# Allegro board SG2042_EVB_V2_0.brd (continued)
## Design rules (mm) (continued)
net group DIMM3_D_0[4-7](X4): nets DDR3_DM0_N DDR3_DM0_P DDR3_DQ4 DDR3_DQ5 DDR3_DQ6 DDR3_DQ7
net group DIMM3_D_1[8-15]: nets DDR3_DQ8 DDR3_DQ9 DDR3_DQ10 DDR3_DQ11 DDR3_DQS1_N DDR3_DQS1_P
net group DIMM3_D_1[12-15](X4): nets DDR3_DM1_N DDR3_DM1_P DDR3_DQ12 DDR3_DQ13 DDR3_DQ14 DDR3_DQ15
net group DIMM3_D_2[16-23]: nets DDR3_DQ16 DDR3_DQ17 DDR3_DQ18 DDR3_DQ19 DDR3_DQS2_N DDR3_DQS2_P
net group DIMM3_D_2[20-23](X4): nets DDR3_DM2_N DDR3_DM2_P DDR3_DQ20 DDR3_DQ21 DDR3_DQ22 DDR3_DQ23
net group DIMM3_D_3[24-31]: nets DDR3_DQ24 DDR3_DQ25 DDR3_DQ26 DDR3_DQ27 DDR3_DQS3_N DDR3_DQS3_P
net group DIMM3_D_3[28-31](X4): nets DDR3_DM3_N DDR3_DM3_P DDR3_DQ28 DDR3_DQ29 DDR3_DQ30 DDR3_DQ31
net group DIMM3_D_4[32-39]: nets DDR3_DQ32 DDR3_DQ33 DDR3_DQ34 DDR3_DQ35 DDR3_DQS4_N DDR3_DQS4_P
net group DIMM3_D_4[36-39](X4): nets DDR3_DM4_N DDR3_DM4_P DDR3_DQ36 DDR3_DQ37 DDR3_DQ38 DDR3_DQ39
net group DIMM3_D_5[40-47]: nets DDR3_DQ40 DDR3_DQ41 DDR3_DQ42 DDR3_DQ43 DDR3_DQS5_N DDR3_DQS5_P
net group DIMM3_D_5[44-47](X4): nets DDR3_DM5_N DDR3_DM5_P DDR3_DQ44 DDR3_DQ45 DDR3_DQ46 DDR3_DQ47
net group DIMM3_D_6[48-55]: nets DDR3_DQ48 DDR3_DQ49 DDR3_DQ50 DDR3_DQ51 DDR3_DQS6_N DDR3_DQS6_P
net group DIMM3_D_6[52-55](X4): nets DDR3_DM6_N DDR3_DM6_P DDR3_DQ52 DDR3_DQ53 DDR3_DQ54 DDR3_DQ55
net group DIMM3_D_7[56-63]: nets DDR3_DQ56 DDR3_DQ57 DDR3_DQ58 DDR3_DQ59 DDR3_DQS7_N DDR3_DQS7_P
net group DIMM3_D_7[60-63](X4): nets DDR3_DM7_N DDR3_DM7_P DDR3_DQ60 DDR3_DQ61 DDR3_DQ62 DDR3_DQ63
net group DIMM3_D_ECC[0-7]: nets DDR3_ECC_DQ0 DDR3_ECC_DQ1 DDR3_ECC_DQ2 DDR3_ECC_DQ3 DDR3_ECC_DQS_N DDR3_ECC_DQS_P
net group DIMM3_D_ECC[4-7](X4): nets DDR3_ECC_DM_N DDR3_ECC_DM_P DDR3_ECC_DQ4 DDR3_ECC_DQ5 DDR3_ECC_DQ6 DDR3_ECC_DQ7
net group EMMC: nets EMMC_DS
net group SD: nets SDIO_PWR_EN SDIO_RST_X SDIO_WP
net group SPI: nets N2309953910 N2309953911 N2309953912 N2309953913 SPICSB SSP0_CLK SSP0_RXD SSP0_SFOUT SSP0_TXD
net group SSRX1_N: nets N22467386 SSRX1_N USB1_RX_N
net group SSRX1_P: nets N22467376 SSRX1_P USB1_RX_P
net group SSRX2_N: nets N22467346 SSRX2_N USB2_RX_N
net group SSRX2_P: nets N22467336 SSRX2_P USB2_RX_P
net group SSRX3_N: nets N22467306 SSRX3_N USB3_RX_N
net group SSRX3_P: nets N22467296 SSRX3_P USB3_RX_P
net group SSRX4_N: nets N22467259 SSRX4_N USB4_RX_N
net group SSRX4_P: nets N22467260 SSRX4_P USB4_RX_P
net group SSTX1_N: nets SSTX1_N USB1_TX_N USB1_TX_N_L
net group SSTX1_P: nets SSTX1_P USB1_TX_P USB1_TX_P_L
net group SSTX2_N: nets N22234325 SSTX2_N USB2_TX_N
net group SSTX2_P: nets N17150193 SSTX2_P USB2_TX_P
net group SSTX3_N: nets N17150149 SSTX3_N USB3_TX_N
net group SSTX3_P: nets N17150120 SSTX3_P USB3_TX_P
net group SSTX4_N: nets SSTX4_N USB4_TX_N USB4_TX_N_L
net group SSTX4_P: nets SSTX4_P USB4_TX_P USB4_TX_P_L

## Placement (name value [footprint] x y rotation side)
ATXPWR1  POWER_CON_24P  [CON-THD24-522X96-ATX-VF]  236.64 221.98 270 top
BT2000  BATTERY  [BAT-SMD1220]  21.23 50.01 90 top
C1  10uF/6.3V  [C0402]  183.95 159.21 270 top
C2  10uF/6.3V  [C0402]  183.95 157.12 270 top
C3  100nF_25V  [C0402]  183.95 155.42 90 top
C4  100nF_25V  [C0402]  183.95 153.34 270 top
C5  100uF/6.3V  [C1210]  194.34 211.15 0 top
C6  100uF/6.3V  [C1210]  185.93 236.04 90 top
C7  10uF/6.3V  [C0402]  183.95 235.51 90 top
C8  10uF/6.3V  [C0402]  183.95 232.97 90 top
C9  10uF/6.3V  [C0402]  183.95 227.89 90 top
C10  10uF/6.3V  [C0402]  183.95 224.43 90 top
C11  10uF/6.3V  [C0402]  183.95 211.1 270 top
C12  100nF_25V  [C0402]  183.95 207.49 270 top
C13  100nF_25V  [C0402]  183.95 203.84 270 top
C14  100uF/6.3V  [C1210]  189.79 216.23 270 top
C15  100uF/6.3V  [C1210]  192.86 216.23 270 top
C16  47uF_6.3V  [C0603]  184.12 220.19 90 top
C17  47uF_6.3V  [C0603]  184.12 217.37 270 top
C19  22uF_25V  [C0805]  185.27 283.59 270 top
C20  100nF_25V  [C0402]  183.95 283.74 270 top
C21  10uF/6.3V  [C0402]  174.7 159.21 270 top
C22  10uF/6.3V  [C0402]  174.7 157.12 270 top
C23  100nF_25V  [C0402]  174.7 155.42 90 top
C24  100nF_25V  [C0402]  174.7 153.34 270 top
C25  100uF/6.3V  [C1210]  185.93 206.88 90 top
C26  100uF/6.3V  [C1210]  185.93 227.76 90 top
C27  10uF/6.3V  [C0402]  174.7 235.51 90 top
C28  10uF/6.3V  [C0402]  174.7 232.97 90 top
C29  10uF/6.3V  [C0402]  174.7 227.89 90 top
C30  10uF/6.3V  [C0402]  174.7 224.43 90 top
C31  10uF/6.3V  [C0402]  174.75 211.71 90 top
C32  100nF_25V  [C0402]  174.75 207.49 270 top
C33  100nF_25V  [C0402]  174.75 203.84 270 top
C34  100uF/6.3V  [C1210]  186.72 220.88 90 top
C35  100uF/6.3V  [C1210]  186.72 216.23 270 top
C36  47uF_6.3V  [C0603]  174.75 220.19 90 top
C37  47uF_6.3V  [C0603]  174.75 217.37 270 top
C39  22uF_25V  [C0805]  186.13 286.13 0 top
C40  100nF_25V  [C0402]  174.7 283.74 270 top
C41  10uF/6.3V  [C0402]  49.38 159.21 270 top
C42  10uF/6.3V  [C0402]  49.38 157.12 270 top
C43  100nF_25V  [C0402]  49.38 155.42 90 top
C44  100nF_25V  [C0402]  49.38 153.34 270 top
C45  100uF/6.3V  [C1210]  39.14 211.15 180 top
C46  100uF/6.3V  [C1210]  47.55 236.04 90 top
C47  10uF/6.3V  [C0402]  49.56 203.84 270 top
C48  10uF/6.3V  [C0402]  49.56 207.49 270 top
C49  10uF/6.3V  [C0402]  49.56 211.1 270 top
C50  10uF/6.3V  [C0402]  49.56 224.43 90 top
C51  10uF/6.3V  [C0402]  49.56 227.89 270 top
C52  100nF_25V  [C0402]  49.56 232.97 270 top
C53  100nF_25V  [C0402]  49.56 235.51 90 top
C54  100uF/6.3V  [C1210]  40.64 216.23 270 top
C55  100uF/6.3V  [C1210]  43.71 216.23 270 top
C56  47uF_6.3V  [C0603]  49.38 220.19 90 top
C57  47uF_6.3V  [C0603]  49.38 217.37 270 top
C59  22uF_25V  [C0805]  48.23 283.59 270 top
C60  100nF_25V  [C0402]  49.56 283.74 270 top
C61  10uF/6.3V  [C0402]  58.78 159.21 270 top
C62  10uF/6.3V  [C0402]  58.78 157.12 270 top
C63  100nF_25V  [C0402]  58.78 155.42 90 top
C64  100nF_25V  [C0402]  58.78 153.34 270 top
C65  100uF/6.3V  [C1210]  47.57 206.88 90 top
C66  100uF/6.3V  [C1210]  47.57 227.76 90 top
C67  10uF/6.3V  [C0402]  58.78 203.84 270 top
C68  10uF/6.3V  [C0402]  58.78 207.49 270 top
C69  10uF/6.3V  [C0402]  58.78 211.71 90 top
C70  10uF/6.3V  [C0402]  58.78 224.43 90 top
C71  10uF/6.3V  [C0402]  58.78 227.89 90 top
C72  100nF_25V  [C0402]  58.78 232.97 90 top
C73  100nF_25V  [C0402]  58.78 235.51 90 top
C74  100uF/6.3V  [C1210]  46.79 216.23 270 top
C75  100uF/6.3V  [C1210]  46.79 220.88 90 top
C76  47uF_6.3V  [C0603]  58.78 220.19 90 top
C77  47uF_6.3V  [C0603]  58.78 217.37 270 top
C79  22uF_25V  [C0805]  48.23 287.25 90 top
C80  100nF_25V  [C0402]  58.78 283.74 270 top
C81  10uF/6.3V  [C0402_BGA]  101.25 233.05 270 bottom
C82  10uF/6.3V  [C0402_BGA]  101.25 225.05 270 bottom
C83  10uF/6.3V  [C0402_BGA]  101.25 217.05 270 bottom
C84  10uF/6.3V  [C0402_BGA]  101.25 209.05 270 bottom
C85  10uF/6.3V  [C0402_BGA]  132.25 233.05 270 bottom
C86  10uF/6.3V  [C0402_BGA]  132.25 225.05 270 bottom
C87  10uF/6.3V  [C0402_BGA]  132.25 217.05 270 bottom
C88  10uF/6.3V  [C0402_BGA]  132.25 209.05 270 bottom
C89  1uF_16V  [C0402_BGA]  100.25 239.05 90 bottom
C90  1uF_16V  [C0402_BGA]  101.25 239.05 270 bottom
C91  1uF_16V  [C0402_BGA]  102.25 239.05 90 bottom
C92  1uF_16V  [C0402_BGA]  100.25 237.05 90 bottom
C93  1uF_16V  [C0402_BGA]  101.25 237.05 270 bottom
C94  1uF_16V  [C0402_BGA]  102.25 237.05 90 bottom
C95  1uF_16V  [C0402_BGA]  100.25 235.05 90 bottom
C96  1uF_16V  [C0402_BGA]  101.25 235.05 270 bottom
C97  1uF_16V  [C0402_BGA]  102.25 235.05 90 bottom
C98  1uF_16V  [C0402_BGA]  100.25 233.05 90 bottom
C99  1uF_16V  [C0402_BGA]  102.25 233.05 90 bottom
C100  1uF_16V  [C0402_BGA]  100.25 231.05 90 bottom
C101  1uF_16V  [C0402_BGA]  101.25 231.05 270 bottom
C102  1uF_16V  [C0402_BGA]  102.25 231.05 90 bottom
C103  1uF_16V  [C0402_BGA]  100.25 229.05 90 bottom
C104  1uF_16V  [C0402_BGA]  101.25 229.05 270 bottom
C105  1uF_16V  [C0402_BGA]  102.25 229.05 90 bottom
C106  1uF_16V  [C0402_BGA]  100.25 227.05 90 bottom
C107  1uF_16V  [C0402_BGA]  101.25 227.05 270 bottom
C108  1uF_16V  [C0402_BGA]  102.25 227.05 90 bottom
C109  1uF_16V  [C0402_BGA]  100.25 225.05 90 bottom
C110  1uF_16V  [C0402_BGA]  102.25 225.05 90 bottom
C111  1uF_16V  [C0402_BGA]  100.25 223.05 90 bottom
C112  1uF_16V  [C0402_BGA]  101.25 223.05 270 bottom
C113  1uF_16V  [C0402_BGA]  102.25 223.05 90 bottom
C114  1uF_16V  [C0402_BGA]  100.25 221.05 90 bottom
C115  1uF_16V  [C0402_BGA]  101.25 221.05 270 bottom
C116  1uF_16V  [C0402_BGA]  102.25 221.05 270 bottom
C117  1uF_16V  [C0402_BGA]  100.25 219.05 90 bottom
C118  1uF_16V  [C0402_BGA]  101.25 219.05 270 bottom
C119  1uF_16V  [C0402_BGA]  102.25 219.05 90 bottom
C120  1uF_16V  [C0402_BGA]  100.25 217.05 90 bottom
C121  1uF_16V  [C0402_BGA]  102.25 217.05 90 bottom
C122  1uF_16V  [C0402_BGA]  100.25 215.05 90 bottom
C123  1uF_16V  [C0402_BGA]  101.25 215.05 270 bottom
C124  1uF_16V  [C0402_BGA]  100.25 213.05 90 bottom
C125  1uF_16V  [C0402_BGA]  101.25 213.05 270 bottom
C126  1uF_16V  [C0402_BGA]  100.25 211.05 90 bottom
C127  1uF_16V  [C0402_BGA]  101.25 211.05 270 bottom
C128  1uF_16V  [C0402_BGA]  100.25 209.05 90 bottom
C129  1uF_16V  [C0402_BGA]  100.25 207.05 90 bottom
C132  1uF_16V  [C0402_BGA]  101.25 207.05 270 bottom
C133  1uF_16V  [C0402_BGA]  100.25 205.05 90 bottom
C134  1uF_16V  [C0402_BGA]  101.25 205.05 270 bottom
C135  1uF_16V  [C0402_BGA]  131.25 239.05 90 bottom
C136  1uF_16V  [C0402_BGA]  132.25 239.05 270 bottom
C137  1uF_16V  [C0402_BGA]  133.25 239.05 90 bottom
C138  1uF_16V  [C0402_BGA]  131.25 237.05 90 bottom
C139  1uF_16V  [C0402_BGA]  132.25 237.05 270 bottom
C140  1uF_16V  [C0402_BGA]  133.25 237.05 90 bottom
C141  1uF_16V  [C0402_BGA]  131.25 235.05 90 bottom
C142  1uF_16V  [C0402_BGA]  132.25 235.05 270 bottom
C143  1uF_16V  [C0402_BGA]  133.25 235.05 90 bottom
C144  1uF_16V  [C0402_BGA]  131.25 233.05 90 bottom
C145  1uF_16V  [C0402_BGA]  133.25 233.05 90 bottom
C146  1uF_16V  [C0402_BGA]  131.25 231.05 90 bottom
C147  1uF_16V  [C0402_BGA]  132.25 231.05 270 bottom
C148  1uF_16V  [C0402_BGA]  133.25 231.05 90 bottom
C149  1uF_16V  [C0402_BGA]  131.25 229.05 90 bottom
C150  1uF_16V  [C0402_BGA]  132.25 229.05 270 bottom
C151  1uF_16V  [C0402_BGA]  133.25 229.05 90 bottom
C152  1uF_16V  [C0402_BGA]  131.25 227.05 90 bottom
C153  1uF_16V  [C0402_BGA]  132.25 227.05 270 bottom
C154  1uF_16V  [C0402_BGA]  133.25 227.05 90 bottom
C155  1uF_16V  [C0402_BGA]  131.25 225.05 90 bottom
C156  1uF_16V  [C0402_BGA]  133.25 225.05 90 bottom
C157  1uF_16V  [C0402_BGA]  131.25 223.05 90 bottom
C158  1uF_16V  [C0402_BGA]  132.25 223.05 270 bottom
C159  1uF_16V  [C0402_BGA]  133.25 223.05 90 bottom
C160  1uF_16V  [C0402_BGA]  131.25 221.05 270 bottom
C161  1uF_16V  [C0402_BGA]  132.25 221.05 270 bottom
C162  1uF_16V  [C0402_BGA]  133.25 221.05 90 bottom
C163  1uF_16V  [C0402_BGA]  131.25 219.05 90 bottom
C164  1uF_16V  [C0402_BGA]  132.25 219.05 270 bottom
C165  1uF_16V  [C0402_BGA]  133.25 219.05 90 bottom
C166  1uF_16V  [C0402_BGA]  131.25 217.05 90 bottom
C167  1uF_16V  [C0402_BGA]  133.25 217.05 90 bottom
C168  1uF_16V  [C0402_BGA]  132.25 215.05 270 bottom
C169  1uF_16V  [C0402_BGA]  133.25 215.05 90 bottom
C170  1uF_16V  [C0402_BGA]  132.25 213.05 270 bottom
C171  1uF_16V  [C0402_BGA]  133.25 213.05 90 bottom
C172  1uF_16V  [C0402_BGA]  132.25 211.05 270 bottom
C173  1uF_16V  [C0402_BGA]  133.25 211.05 90 bottom
C174  1uF_16V  [C0402_BGA]  133.25 209.05 90 bottom
C175  1uF_16V  [C0402_BGA]  132.25 207.05 270 bottom
C176  1uF_16V  [C0402_BGA]  133.25 207.05 90 bottom
C177  1uF_16V  [C0402_BGA]  132.25 205.05 270 bottom
C178  1uF_16V  [C0402_BGA]  133.25 205.05 90 bottom
C179  1uF_16V  [C0402_BGA]  131.25 204.05 90 bottom
C181  1uF_16V  [C0402_BGA]  134.25 241.05 270 bottom
C182  1uF_16V  [C0402_BGA]  135.25 241.05 90 bottom
C183  1uF_16V  [C0402_BGA]  136.25 241.05 270 bottom
C184  1uF_16V  [C0402_BGA]  137.25 241.05 90 bottom
C185  1uF_16V  [C0402_BGA]  134.25 239.05 270 bottom
C186  1uF_16V  [C0402_BGA]  135.25 239.05 90 bottom
C187  1uF_16V  [C0402_BGA]  136.25 239.05 270 bottom
C188  1uF_16V  [C0402_BGA]  137.25 239.05 90 bottom
C189  1uF_16V  [C0402_BGA]  134.25 237.05 270 bottom
C190  1uF_16V  [C0402_BGA]  135.25 237.05 90 bottom
C191  1uF_16V  [C0402_BGA]  136.25 237.05 270 bottom
C192  1uF_16V  [C0402_BGA]  134.25 235.05 270 bottom
C193  1uF_16V  [C0402_BGA]  135.25 235.05 90 bottom
C194  1uF_16V  [C0402_BGA]  136.25 235.05 270 bottom
C195  1uF_16V  [C0402_BGA]  138.25 236.05 90 bottom
C196  1uF_16V  [C0402_BGA]  134.25 233.05 270 bottom
C197  1uF_16V  [C0402_BGA]  135.25 233.05 90 bottom
C198  1uF_16V  [C0402_BGA]  136.25 233.05 270 bottom
C199  1uF_16V  [C0402_BGA]  134.25 231.05 270 bottom
C200  1uF_16V  [C0402_BGA]  135.25 231.05 90 bottom
C201  1uF_16V  [C0402_BGA]  136.25 231.05 270 bottom
C202  1uF_16V  [C0402_BGA]  137.25 231.05 90 bottom
C203  1uF_16V  [C0402_BGA]  134.25 229.05 270 bottom
C204  1uF_16V  [C0402_BGA]  135.25 229.05 90 bottom
C205  1uF_16V  [C0402_BGA]  136.25 229.05 270 bottom
C206  1uF_16V  [C0402_BGA]  134.25 227.05 270 bottom
C207  1uF_16V  [C0402_BGA]  135.25 227.05 90 bottom
C208  1uF_16V  [C0402_BGA]  136.25 227.05 270 bottom
C209  1uF_16V  [C0402_BGA]  134.25 225.05 270 bottom
C210  1uF_16V  [C0402_BGA]  135.25 225.05 90 bottom
C211  1uF_16V  [C0402_BGA]  136.25 225.05 270 bottom
C212  1uF_16V  [C0402_BGA]  134.25 223.05 270 bottom
C213  1uF_16V  [C0402_BGA]  135.25 223.05 90 bottom
C214  1uF_16V  [C0402_BGA]  136.25 223.05 270 bottom
C215  1uF_16V  [C0402_BGA]  134.25 221.05 270 bottom
C216  1uF_16V  [C0402_BGA]  135.25 221.05 90 bottom
C217  1uF_16V  [C0402_BGA]  136.25 221.05 270 bottom
C218  1uF_16V  [C0402_BGA]  134.25 219.05 270 bottom
C219  1uF_16V  [C0402_BGA]  135.25 219.05 90 bottom
C220  1uF_16V  [C0402_BGA]  136.25 219.05 270 bottom
C221  1uF_16V  [C0402_BGA]  134.25 217.05 270 bottom
C222  1uF_16V  [C0402_BGA]  135.25 217.05 90 bottom
C223  1uF_16V  [C0402_BGA]  136.25 217.05 270 bottom
C224  1uF_16V  [C0402_BGA]  134.25 215.05 270 bottom
C225  1uF_16V  [C0402_BGA]  135.25 215.05 90 bottom
C226  1uF_16V  [C0402_BGA]  136.25 215.05 270 bottom
C227  1uF_16V  [C0402_BGA]  137.25 215.05 90 bottom
C228  1uF_16V  [C0402_BGA]  134.25 213.05 270 bottom
C229  1uF_16V  [C0402_BGA]  135.25 213.05 90 bottom
C230  1uF_16V  [C0402_BGA]  136.25 213.05 270 bottom
C231  1uF_16V  [C0402_BGA]  137.25 213.05 90 bottom
C232  1uF_16V  [C0402_BGA]  138.25 213.05 270 bottom
C233  1uF_16V  [C0402_BGA]  134.25 211.05 270 bottom
C234  1uF_16V  [C0402_BGA]  135.25 211.05 90 bottom
C235  1uF_16V  [C0402_BGA]  136.25 211.05 270 bottom
C236  1uF_16V  [C0402_BGA]  137.25 211.05 90 bottom
C237  1uF_16V  [C0402_BGA]  138.25 211.05 270 bottom
C238  1uF_16V  [C0402_BGA]  140.25 211.05 270 bottom
C239  1uF_16V  [C0402_BGA]  134.25 209.05 270 bottom
C240  1uF_16V  [C0402_BGA]  135.25 209.05 90 bottom
C241  1uF_16V  [C0402_BGA]  136.25 209.05 270 bottom
C242  1uF_16V  [C0402_BGA]  134.25 207.05 270 bottom
C243  1uF_16V  [C0402_BGA]  135.25 207.05 90 bottom
C244  1uF_16V  [C0402_BGA]  136.25 207.05 270 bottom
C245  1uF_16V  [C0402_BGA]  137.25 207.05 270 bottom
C246  1uF_16V  [C0402_BGA]  134.25 205.05 270 bottom
C247  1uF_16V  [C0402_BGA]  135.25 205.05 90 bottom
C248  1uF_16V  [C0402_BGA]  136.25 205.05 270 bottom
C249  1uF_16V  [C0402_BGA]  138.25 205.05 270 bottom
C250  1uF_16V  [C0402_BGA]  139.25 205.05 90 bottom
C251  1uF_16V  [C0402_BGA]  134.25 203.05 270 bottom
C252  1uF_16V  [C0402_BGA]  135.25 203.05 90 bottom
C253  1uF_16V  [C0402_BGA]  136.25 203.05 270 bottom
C254  1uF_16V  [C0402_BGA]  137.25 203.05 90 bottom
C255  1uF_16V  [C0402_BGA]  138.25 203.05 270 bottom
C256  1uF_16V  [C0402_BGA]  134.75 201.55 0 bottom
C257  1uF_16V  [C0402_BGA]  136.75 201.55 0 bottom
C258  1uF_16V  [C0402_BGA]  144.25 241.05 90 bottom
C259  1uF_16V  [C0402_BGA]  142.25 240.05 270 bottom
C260  1uF_16V  [C0402_BGA]  140.25 239.05 270 bottom
C261  1uF_16V  [C0402_BGA]  139.25 236.05 270 bottom
C262  1uF_16V  [C0402_BGA]  140.25 236.05 90 bottom
C263  1uF_16V  [C0402_BGA]  142.25 236.05 270 bottom
C264  1uF_16V  [C0402_BGA]  144.25 236.05 90 bottom
C265  1uF_16V  [C0402_BGA]  141.25 205.05 270 bottom
C266  1uF_16V  [C0402_BGA]  141.25 203.05 90 bottom
C267  1uF_16V  [C0402_BGA]  143.25 203.05 270 bottom
C268  47uF 6.3V  [C0603]  100.84 160.02 0 top
C269  47uF 6.3V  [C0603]  100.84 161.21 0 top
C270  47uF 6.3V  [C0603]  107.14 160.02 180 top
C271  47uF 6.3V  [C0603]  107.14 161.21 180 top
C272  47uF 6.3V  [C0603]  107.14 162.41 180 top
C281  1uF_16V  [C0402_BGA]  96.25 241.05 90 bottom
C282  1uF_16V  [C0402_BGA]  97.25 241.05 270 bottom
C283  1uF_16V  [C0402_BGA]  98.25 241.05 90 bottom
C284  1uF_16V  [C0402_BGA]  99.25 241.05 270 bottom
C285  1uF_16V  [C0402_BGA]  96.25 239.05 90 bottom
C286  1uF_16V  [C0402_BGA]  97.25 239.05 270 bottom
C287  1uF_16V  [C0402_BGA]  98.25 239.05 90 bottom
C288  1uF_16V  [C0402_BGA]  99.25 239.05 270 bottom
C289  1uF_16V  [C0402_BGA]  95.25 236.05 90 bottom
C290  1uF_16V  [C0402_BGA]  97.25 237.05 270 bottom
C291  1uF_16V  [C0402_BGA]  98.25 237.05 90 bottom
C292  1uF_16V  [C0402_BGA]  99.25 237.05 270 bottom
C293  1uF_16V  [C0402_BGA]  97.25 235.05 270 bottom
C294  1uF_16V  [C0402_BGA]  98.25 235.05 90 bottom
C295  1uF_16V  [C0402_BGA]  99.25 235.05 270 bottom
C296  1uF_16V  [C0402_BGA]  97.25 233.05 270 bottom
C297  1uF_16V  [C0402_BGA]  98.25 233.05 90 bottom
C298  1uF_16V  [C0402_BGA]  99.25 233.05 270 bottom
C299  1uF_16V  [C0402_BGA]  96.25 231.05 90 bottom
C300  1uF_16V  [C0402_BGA]  97.25 231.05 270 bottom
C301  1uF_16V  [C0402_BGA]  98.25 231.05 90 bottom
C302  1uF_16V  [C0402_BGA]  99.25 231.05 270 bottom
C303  1uF_16V  [C0402_BGA]  97.25 229.05 270 bottom
C304  1uF_16V  [C0402_BGA]  98.25 229.05 90 bottom
C305  1uF_16V  [C0402_BGA]  99.25 229.05 270 bottom
C306  1uF_16V  [C0402_BGA]  97.25 227.05 270 bottom
C307  1uF_16V  [C0402_BGA]  98.25 227.05 90 bottom
C308  1uF_16V  [C0402_BGA]  99.25 227.05 270 bottom
C309  1uF_16V  [C0402_BGA]  97.25 225.05 270 bottom
C310  1uF_16V  [C0402_BGA]  98.25 225.05 90 bottom
C311  1uF_16V  [C0402_BGA]  99.25 225.05 270 bottom
C312  1uF_16V  [C0402_BGA]  97.25 223.05 270 bottom
C313  1uF_16V  [C0402_BGA]  98.25 223.05 90 bottom
C314  1uF_16V  [C0402_BGA]  99.25 223.05 270 bottom
C315  1uF_16V  [C0402_BGA]  97.25 221.05 270 bottom
C316  1uF_16V  [C0402_BGA]  98.25 221.05 90 bottom
C317  1uF_16V  [C0402_BGA]  99.25 221.05 270 bottom
C318  1uF_16V  [C0402_BGA]  97.25 219.05 270 bottom
C319  1uF_16V  [C0402_BGA]  98.25 219.05 90 bottom
C320  1uF_16V  [C0402_BGA]  99.25 219.05 270 bottom
C321  1uF_16V  [C0402_BGA]  97.25 217.05 270 bottom
C322  1uF_16V  [C0402_BGA]  98.25 217.05 90 bottom
C323  1uF_16V  [C0402_BGA]  99.25 217.05 270 bottom
C324  1uF_16V  [C0402_BGA]  96.25 215.05 90 bottom
C325  1uF_16V  [C0402_BGA]  97.25 215.05 270 bottom
C326  1uF_16V  [C0402_BGA]  98.25 215.05 90 bottom
C327  1uF_16V  [C0402_BGA]  99.25 215.05 270 bottom
C328  1uF_16V  [C0402_BGA]  95.25 213.05 270 bottom
C329  1uF_16V  [C0402_BGA]  96.25 213.05 90 bottom
C330  1uF_16V  [C0402_BGA]  97.25 213.05 270 bottom
C331  1uF_16V  [C0402_BGA]  98.25 213.05 90 bottom
C332  1uF_16V  [C0402_BGA]  99.25 213.05 270 bottom
C333  1uF_16V  [C0402_BGA]  95.25 211.05 270 bottom
C334  1uF_16V  [C0402_BGA]  96.25 211.05 90 bottom
C335  1uF_16V  [C0402_BGA]  97.25 211.05 270 bottom
C336  1uF_16V  [C0402_BGA]  98.25 211.05 90 bottom
C337  1uF_16V  [C0402_BGA]  99.25 211.05 270 bottom
C338  1uF_16V  [C0402_BGA]  97.25 209.05 270 bottom
C339  1uF_16V  [C0402_BGA]  98.25 209.05 90 bottom
C340  1uF_16V  [C0402_BGA]  99.25 209.05 270 bottom
C341  1uF_16V  [C0402_BGA]  96.25 207.05 270 bottom
C342  1uF_16V  [C0402_BGA]  97.25 207.05 270 bottom
C343  1uF_16V  [C0402_BGA]  98.25 207.05 90 bottom
C344  1uF_16V  [C0402_BGA]  99.25 207.05 270 bottom
C345  1uF_16V  [C0402_BGA]  94.25 205.05 90 bottom
C346  1uF_16V  [C0402_BGA]  95.25 205.05 270 bottom
C347  1uF_16V  [C0402_BGA]  97.25 205.05 270 bottom
C348  1uF_16V  [C0402_BGA]  98.25 205.05 90 bottom
C349  1uF_16V  [C0402_BGA]  99.25 205.05 270 bottom
C350  1uF_16V  [C0402_BGA]  95.25 203.05 270 bottom
C351  1uF_16V  [C0402_BGA]  96.25 203.05 90 bottom
C352  1uF_16V  [C0402_BGA]  97.25 203.05 270 bottom
C353  1uF_16V  [C0402_BGA]  95.75 201.55 0 bottom
C354  1uF_16V  [C0402_BGA]  89.25 241.05 90 bottom
C355  1uF_16V  [C0402_BGA]  91.25 240.05 270 bottom
C356  1uF_16V  [C0402_BGA]  93.25 239.05 270 bottom
C357  1uF_16V  [C0402_BGA]  89.25 236.05 90 bottom
C358  1uF_16V  [C0402_BGA]  91.25 236.05 270 bottom
C359  1uF_16V  [C0402_BGA]  93.25 236.05 90 bottom
C360  1uF_16V  [C0402_BGA]  94.25 236.05 270 bottom
C361  1uF_16V  [C0402_BGA]  93.25 211.05 270 bottom
C362  1uF_16V  [C0402_BGA]  92.25 205.05 270 bottom
C363  1uF_16V  [C0402_BGA]  90.25 203.05 270 bottom
C364  1uF_16V  [C0402_BGA]  92.25 203.05 90 bottom
C381  220nF_6.3V  [C0201]  60.8 116.2 90 top
C382  220nF_6.3V  [C0201]  61.41 75.56 90 top
C383  220nF_6.3V  [C0201]  60.8 75.56 90 top
C384  220nF_6.3V  [C0201]  61.41 116.2 90 top
C385  220nF_6.3V  [C0201]  65.8 75.56 90 top
C386  220nF_6.3V  [C0201]  65.8 116.2 90 top
C387  220nF_6.3V  [C0201]  66.4 75.56 90 top
C388  220nF_6.3V  [C0201]  66.4 116.2 90 top
C389  220nF_6.3V  [C0201]  69.8 75.56 90 top
C390  220nF_6.3V  [C0201]  69.8 116.2 90 top
C391  220nF_6.3V  [C0201]  70.4 75.56 90 top
C392  220nF_6.3V  [C0201]  70.4 116.2 90 top
C393  220nF_6.3V  [C0201]  73.8 75.56 90 top
C394  220nF_6.3V  [C0201]  73.8 116.2 90 top
C395  220nF_6.3V  [C0201]  74.4 75.56 90 top
C396  220nF_6.3V  [C0201]  74.4 116.2 90 top
C397  220nF_6.3V  [C0201]  79.8 75.56 90 top
C398  220nF_6.3V  [C0201]  79.8 116.2 90 top
C399  220nF_6.3V  [C0201]  80.4 75.56 90 top
C400  220nF_6.3V  [C0201]  80.4 116.2 90 top
C401  220nF_6.3V  [C0201]  83.8 75.56 90 top
C402  220nF_6.3V  [C0201]  83.8 116.2 90 top
C403  220nF_6.3V  [C0201]  84.4 75.56 90 top
C404  220nF_6.3V  [C0201]  84.4 116.2 90 top
C405  220nF_6.3V  [C0201]  87.8 75.56 90 top
C406  220nF_6.3V  [C0201]  87.8 116.2 90 top
C407  220nF_6.3V  [C0201]  88.41 75.56 90 top
C408  220nF_6.3V  [C0201]  88.41 116.2 90 top
C409  220nF_6.3V  [C0201]  91.8 75.56 90 top
C410  220nF_6.3V  [C0201]  91.8 116.2 90 top
C411  220nF_6.3V  [C0201]  92.41 75.56 90 top
C412  220nF_6.3V  [C0201]  92.41 116.2 90 top
C413  220nF_6.3V  [C0201]  139.62 98.6 270 top
C414  220nF_6.3V  [C0201]  96.8 116.2 90 top
C415  220nF_6.3V  [C0201]  140.23 98.6 270 top
C416  220nF_6.3V  [C0201]  97.41 116.2 90 top
C417  220nF_6.3V  [C0201]  140.23 102.16 270 top
C418  220nF_6.3V  [C0201]  100.8 116.2 90 top
C419  220nF_6.3V  [C0201]  139.62 102.16 270 top
C420  220nF_6.3V  [C0201]  101.41 116.2 90 top
C421  220nF_6.3V  [C0201]  143.71 98.6 270 top
C422  220nF_6.3V  [C0201]  104.8 116.2 90 top
C423  220nF_6.3V  [C0201]  144.32 98.6 270 top
C424  220nF_6.3V  [C0201]  105.41 116.2 90 top
C425  220nF_6.3V  [C0201]  144.32 102.16 270 top
C426  220nF_6.3V  [C0201]  108.8 116.2 90 top
C427  220nF_6.3V  [C0201]  143.71 102.16 270 top
C428  220nF_6.3V  [C0201]  109.41 116.2 90 top
C429  220nF_6.3V  [C0201]  147.8 98.6 270 top
C430  220nF_6.3V  [C0201]  112.8 116.2 90 top
C431  220nF_6.3V  [C0201]  148.41 98.6 270 top
C432  220nF_6.3V  [C0201]  113.41 116.2 90 top
C433  220nF_6.3V  [C0201]  148.41 102.16 270 top
C434  220nF_6.3V  [C0201]  116.8 116.2 90 top
C435  220nF_6.3V  [C0201]  147.8 102.16 270 top
C436  220nF_6.3V  [C0201]  117.41 116.2 90 top
C437  220nF_6.3V  [C0201]  151.89 98.6 270 top
C438  220nF_6.3V  [C0201]  120.8 116.2 90 top
C439  220nF_6.3V  [C0201]  152.5 98.6 270 top
C440  220nF_6.3V  [C0201]  121.41 116.2 90 top
C441  220nF_6.3V  [C0201]  152.5 102.16 270 top
C442  220nF_6.3V  [C0201]  124.8 116.2 90 top
C443  220nF_6.3V  [C0201]  151.89 102.16 270 top
C444  220nF_6.3V  [C0201]  125.41 116.2 90 top
C445  1uF_16V  [C0402_BGA]  104.25 204.05 270 bottom
C446  1uF_16V  [C0402_BGA]  105.25 204.05 90 bottom
C447  1uF_16V  [C0402_BGA]  106.25 204.05 270 bottom
C448  1uF_16V  [C0402_BGA]  107.25 204.05 90 bottom
C449  1uF_16V  [C0402_BGA]  108.25 204.05 270 bottom
C450  1uF_16V  [C0402_BGA]  109.25 204.05 90 bottom
C451  1uF_16V  [C0402_BGA]  110.25 204.05 270 bottom
C452  1uF_16V  [C0402_BGA]  111.25 204.05 90 bottom
C453  1uF_16V  [C0402_BGA]  112.25 204.05 270 bottom
C454  1uF_16V  [C0402_BGA]  113.25 204.05 90 bottom
C455  1uF_16V  [C0402_BGA]  114.25 204.05 270 bottom
C456  1uF_16V  [C0402_BGA]  115.25 204.05 90 bottom
C457  1uF_16V  [C0402_BGA]  116.25 204.05 270 bottom
C458  1uF_16V  [C0402_BGA]  118.25 204.05 270 bottom
C459  1uF_16V  [C0402_BGA]  119.25 204.05 90 bottom
C460  1uF_16V  [C0402_BGA]  120.25 204.05 270 bottom
C461  1uF_16V  [C0402_BGA]  121.25 204.05 90 bottom
C462  1uF_16V  [C0402_BGA]  122.25 204.05 270 bottom
C463  1uF_16V  [C0402_BGA]  123.25 204.05 90 bottom
C464  1uF_16V  [C0402_BGA]  124.25 204.05 270 bottom
C465  1uF_16V  [C0402_BGA]  125.25 204.05 90 bottom
C466  1uF_16V  [C0402_BGA]  126.25 204.05 270 bottom
C467  1uF_16V  [C0402_BGA]  127.25 204.05 90 bottom
C468  1uF_16V  [C0402_BGA]  128.25 204.05 270 bottom
C469  1uF_16V  [C0402_BGA]  129.25 204.05 90 bottom
C470  1uF_16V  [C0402_BGA]  130.25 204.05 270 bottom
